# Altium PCB KlusterLab r2.0.PcbDoc (part 7 of 22) (continued)
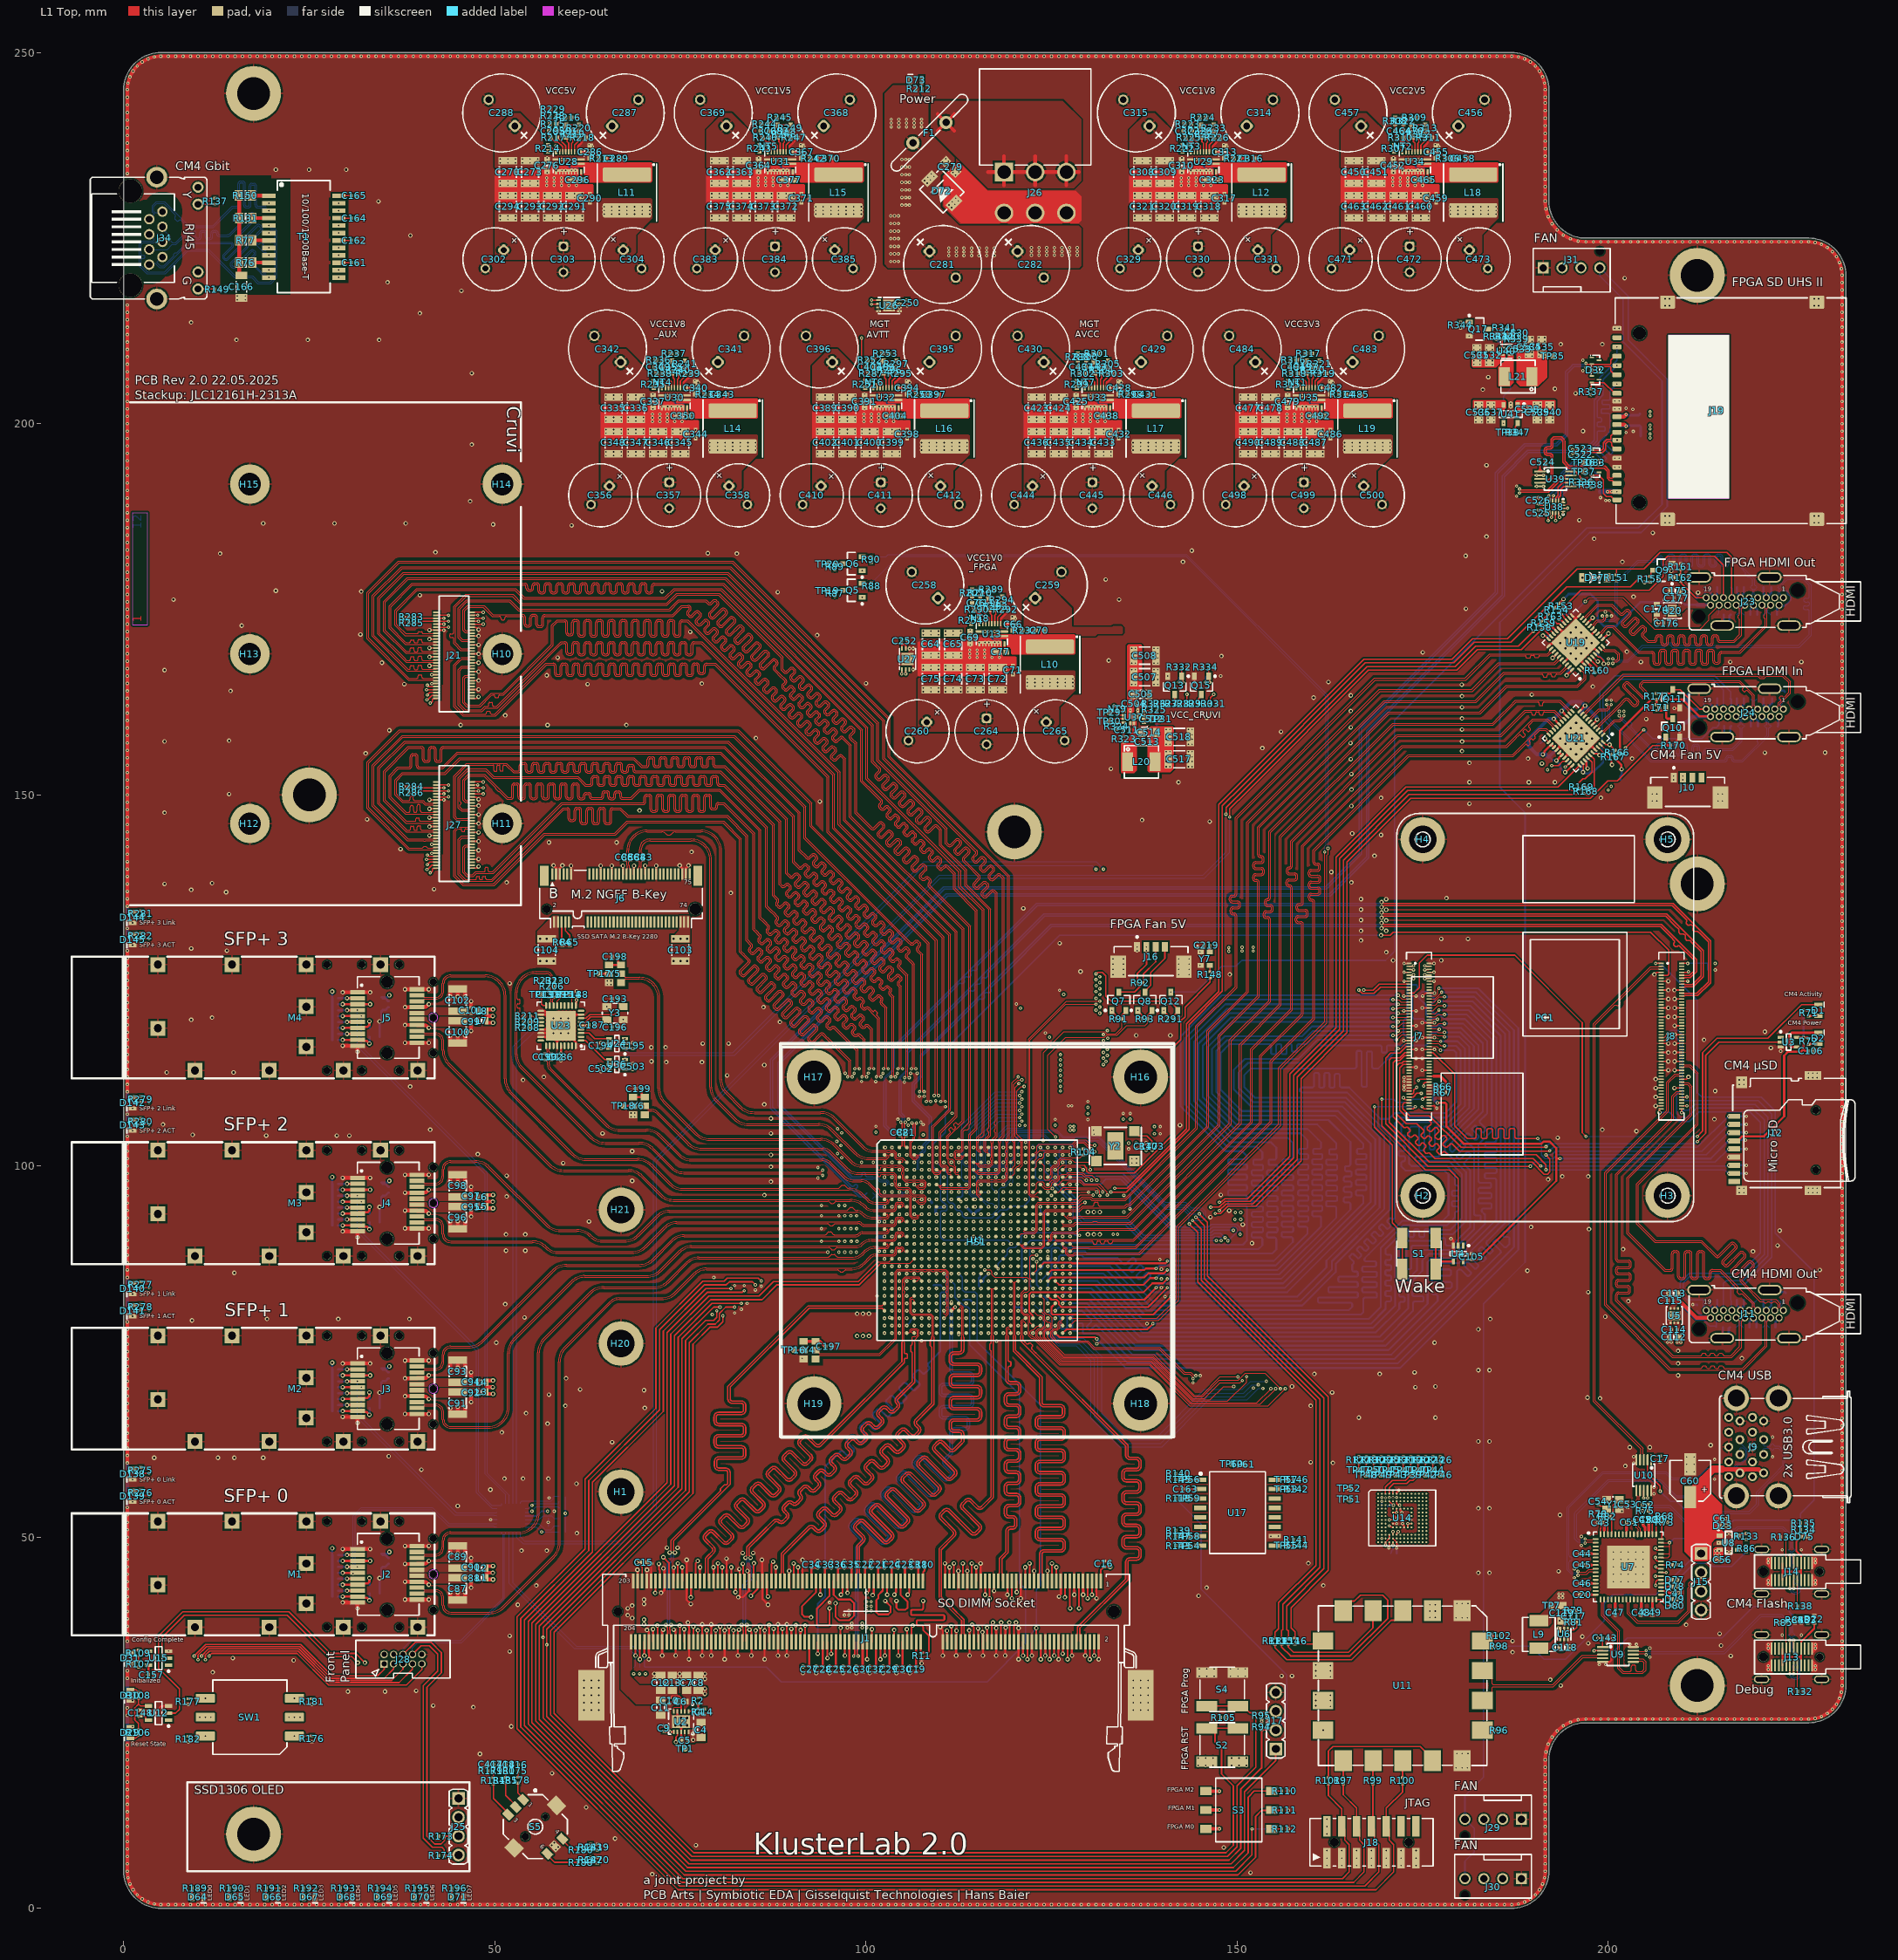
[diagram p0: L1 Top view]
## Nets (pads, with @x,y where several pads share a name; then routed paths per layer and width w, separated by ;. In a path a pad name is that pad's centre, name@x,y a point inside that pad or via, vN(x,y) a via of type N, cw(c..) or ccw(c..) an arc to the next point about the centre after c; other vN are vias at no path point) (continued)
CRUVI_A_11_P: J21.44 U1.D9 | length 170
  L1 Top w0.1: 108.88,103.62 108.9,103.6 108.9,99.217 108.959,99.159 109.217,98.9 109.883,98.9 110.1,99.117 110.1,99.365 110.159,99.423 110.423,99.423 U1.D9@110.5,99.5
  L1 Top w0.114: J21.44@46.835,166.19 46.485,166.19 46.391,166.096 45.986,166.096 45.695,165.805 45.695,162.375 46.2,161.869 47.935,161.869 48.035,161.869 49.483,163.317 49.636,163.47 49.845,163.47 cw(c49.845,163.316) 50,163.316 50,163.227 ccw(c50.154,163.227) 50.154,163.073 50.359,163.073 ccw(c50.359,163.227) 50.513,163.227 50.513,163.316 cw(c50.668,163.316) 50.668,163.47 50.724,163.47 51.195,163.47 57.875,170.15 57.875,172.738 58.471,173.334 58.786,173.334 59.386,173.334 cw(c59.386,173.165) 59.555,173.165 59.555,171.853 ccw(c59.965,171.853) 59.965,171.443 60.191,171.443 ccw(c60.191,171.853) 60.601,171.853 60.601,173.188 cw(c60.77,173.188) 60.77,173.357 60.995,173.357 cw(c60.995,173.188) 61.164,173.188 61.164,171.687 ccw(c61.574,171.687) 61.574,171.277 61.8,171.277 ccw(c61.8,171.687) 62.21,171.687 62.21,173.188 cw(c62.379,173.188) 62.379,173.357 62.605,173.357 cw(c62.605,173.188) 62.774,173.188 62.774,171.687 ccw(c63.184,171.687) 63.184,171.277 63.409,171.277 ccw(c63.409,171.687) 63.819,171.687 63.819,173.188 cw(c63.988,173.188) 63.988,173.357 64.214,173.357 cw(c64.214,173.188) 64.383,173.188 64.383,171.687 ccw(c64.793,171.687) 64.793,171.277 65.018,171.277 ccw(c65.018,171.687) 65.428,171.687 65.428,173.188 cw(c65.597,173.188) 65.597,173.357 65.823,173.357 cw(c65.823,173.188) 65.992,173.188 65.992,171.687 ccw(c66.402,171.687) 66.402,171.277 66.627,171.277 ccw(c66.627,171.687) 67.037,171.687 67.037,173.188 cw(c67.207,173.188) 67.207,173.357 67.432,173.357 cw(c67.432,173.188) 67.601,173.188 67.601,171.687 ccw(c68.011,171.687) 68.011,171.277 68.237,171.277 ccw(c68.237,171.687) 68.647,171.687 68.647,173.188 cw(c68.816,173.188) 68.816,173.357 69.041,173.357 cw(c69.041,173.188) 69.21,173.188 69.21,171.687 ccw(c69.62,171.687) 69.62,171.277 69.846,171.277 ccw(c69.846,171.687) 70.256,171.687 70.256,173.188 cw(c70.425,173.188) 70.425,173.357 70.65,173.357 cw(c70.65,173.188) 70.82,173.188 70.82,171.687 ccw(c71.23,171.687) 71.23,171.277 71.455,171.277 ccw(c71.455,171.687) 71.865,171.687 71.865,173.188 cw(c72.034,173.188) 72.034,173.357 72.26,173.357 cw(c72.26,173.188) 72.429,173.188 72.429,171.687 ccw(c72.839,171.687) 72.839,171.277 73.064,171.277 ccw(c73.064,171.687) 73.474,171.687 73.474,173.188 cw(c73.643,173.188) 73.643,173.357 73.869,173.357 cw(c73.869,173.188) 74.038,173.188 74.038,171.687 ccw(c74.448,171.687) 74.448,171.277 74.673,171.277 ccw(c74.673,171.687) 75.083,171.687 75.083,173.165 cw(c75.253,173.165) 75.253,173.334 75.43,173.334 75.9,173.334 96.259,152.975 96.259,145.986 111.153,131.092 111.153,112 111.153,107.593 110.68,107.12 109.13,105.57 108.88,105.32 108.88,103.62
CRUVI_A_DI: J21.51 U1.G19 | length 140.9
  L1 Top w0.15: v1(40.9,164.76) 40.968,164.76 41.138,164.59 J21.51@42.165,164.59
  L3 Inner2 (Sig) w0.1: v1(120.5,96.5) 121.1,97.1 121.1,101.9 120.7,102.3 120.7,103.6 120.9,103.8 122.2,103.8 123.9,105.5 123.9,105.9
  L3 Inner2 (Sig) w0.15: v1(40.9,164.76) 40.5,165.16 40.5,172.36 44.1,175.96 57.065,175.96 109.6,123.425 115.8,123.425 124.475,114.75 124.475,109.475 123.9,108.9 123.9,105.9
CRUVI_A_DO: J21.53 U1.D20 | length 140.1
  L1 Top w0.15: v1(40.8,164.16) 40.815,164.175 42.15,164.175 J21.53@42.165,164.19
  L3 Inner2 (Sig) w0.1: v1(121.5,99.5) 121.875,99.875 121.875,101.408 120.9,102.383 120.9,103.5 121,103.6 122.3,103.6 124.2,105.5 124.2,105.9
  L3 Inner2 (Sig) w0.15: v1(40.8,164.16) 40.1,164.86 40.1,172.56 43.9,176.36 53.232,176.36 57.231,176.36 74.896,158.696 107.296,126.296 109.766,123.825 115.9,123.825 124.775,114.95 124.775,109.275 124.2,108.7 124.2,105.9
CRUVI_A_HSI: J21.10 U1.F17 | length 120
  L1 Top w0.15: J21.10@46.835,172.99 v1(48.43,172.99)
  L3 Inner2 (Sig) w0.1: v1(121.444,105.456) 121.456,105.456 121.8,105.8
  L3 Inner2 (Sig) w0.15: v1(48.43,172.99) 53.463,172.99 53.48,172.973 56.093,172.973 108.441,120.625 115.1,120.625 122.375,113.35 122.375,110.375 121.8,109.8 121.8,105.8
  L12 Bottom w0.1: v1(118.5,97.5) 119.1,98.1 119.1,99.713 118.713,100.1 118.37,100.1 118.125,100.345 118.125,100.835 118.135,100.845 118.135,101.335 118.1,101.37 118.1,104.2 119.008,105.108 121.108,105.108 121.192,105.192 121.192,105.197 121.444,105.449 v1(121.444,105.456)
CRUVI_A_HSIO: J21.2 U1.H18 | length 123.1
  L1 Top w0.15: J21.2@46.835,174.59 46.856,174.611 48.409,174.611 v1(48.43,174.59)
  L3 Inner2 (Sig) w0.1: v1(119.5,95.5) 119.9,95.9 119.9,104.1 120.2,104.4 121.918,104.4 123,105.482 123,105.9
  L3 Inner2 (Sig) w0.15: v1(48.43,174.59) 56.738,174.59 74.564,156.764 106.164,125.164 109.103,122.225 115.5,122.225 123.575,114.15 123.575,109.975 123,109.4 123,105.9
CRUVI_A_HSO: J21.6 U1.H17 | length 123
  L1 Top w0.15: J21.6@46.835,173.79 v1(48.43,173.79)
  L3 Inner2 (Sig) w0.1: v1(118.5,95.5) 118.1,95.9 118.1,103.8 119.1,104.8 121.7,104.8 122.4,105.5 122.4,105.9
  L3 Inner2 (Sig) w0.15: v1(48.43,173.79) 56.407,173.79 108.772,121.425 115.3,121.425 122.975,113.75 122.975,110.175 122.4,109.6 122.4,105.9
CRUVI_A_MODE: J21.57 U1.F20 | length 145.5
  L1 Top w0.15: v1(40.857,162.817) 40.939,162.817 41.057,162.936 41.076,162.936 41.336,163.196 41.515,163.375 42.15,163.375 J21.57@42.165,163.39
  L3 Inner2 (Sig) w0.1: v1(121.5,97.5) 122.425,98.425 122.425,101.675 122.1,102 122.1,103 122.3,103.2 122.5,103.2 124.8,105.5 124.8,105.9
  L3 Inner2 (Sig) w0.15: v1(40.857,162.817) 39.3,164.375 39.3,172.76 43.7,177.16 57.563,177.16 75.461,159.261 107.861,126.861 110.098,124.625 116.1,124.625 125.375,115.35 125.375,108.975 124.8,108.4 124.8,105.9
CRUVI_A_REFCLK: J21.11 U1.E17 | length 123
  L1 Top w0.15: J21.11@42.165,172.59 v1(43.76,172.59)
  L3 Inner2 (Sig) w0.1: v1(120.7,105.5) 120.767,105.567 121.025,105.567 121.5,106.042
  L3 Inner2 (Sig) w0.15: v1(43.76,172.59) 45.846,172.59 45.991,172.735 47.997,172.735 48.142,172.59 53.322,172.59 55.91,172.59 104.75,123.75 108.275,120.225 115,120.225 122.075,113.15 122.075,110.575 121.5,110 121.5,106.042
  L12 Bottom w0.1: v1(118.5,98.5) 118.9,98.9 118.9,99.63 118.63,99.9 118.287,99.9 117.9,100.287 117.9,104.4 119,105.5 v1(120.7,105.5)
CRUVI_A_RESET: J21.8 U1.H16 | length 122.4
  L1 Top w0.15: J21.8@46.835,173.39 v1(47.8,173.39)
  L3 Inner2 (Sig) w0.1: v1(117.5,95.5) 117.9,95.9 117.9,104 118.9,105 121.566,105 122.1,105.534 122.1,105.9
  L3 Inner2 (Sig) w0.15: v1(47.8,173.39) 56.241,173.39 73.916,155.716 105.316,124.316 108.606,121.025 115.2,121.025 122.675,113.55 122.675,110.275 122.1,109.7 122.1,105.9
CRUVI_A_SCK: J21.59 U1.G20 | length 148.6
  L1 Top w0.15: v1(41.3,162.36) 41.359,162.36 41.586,162.586 41.586,162.862 41.674,162.95 42.125,162.95 J21.59@42.165,162.99
  L3 Inner2 (Sig) w0.1: v1(121.5,96.5) 122,97 122,97.6 122.625,98.225 122.625,102.12 122.85,102.345 122.85,102.655 122.625,102.88 122.625,103.025 125.1,105.5 125.1,105.9
  L3 Inner2 (Sig) w0.15: v1(41.3,162.36) 40.6,162.36 38.9,164.06 38.9,172.86 43.6,177.56 53.543,177.56 57.728,177.56 75.494,159.794 108.144,127.144 110.263,125.025 116.2,125.025 125.675,115.55 125.675,108.775 125.1,108.2 125.1,105.9
CRUVI_A_SEL: J21.55 U1.E20 | length 142.2
  L1 Top w0.15: v1(40.9,163.46) 41.23,163.79 J21.55@42.165,163.79
  L3 Inner2 (Sig) w0.1: v1(121.5,98.5) 122.2,99.2 122.2,101.5 121.9,101.8 121.9,103.2 122.1,103.4 122.383,103.4 124.5,105.517 124.5,105.9
  L3 Inner2 (Sig) w0.15: v1(40.9,163.46) 39.7,164.66 39.7,172.66 43.8,176.76 57.397,176.76 75.278,158.878 107.578,126.578 109.932,124.225 116,124.225 125.075,115.15 125.075,109.175 124.5,108.6 124.5,105.9
CRUVI_A_SMB_ALERT: J21.3 U1.H19 | length 128.9
  L1 Top w0.15: J21.3@42.165,174.19 v1(43.76,174.19)
  L3 Inner2 (Sig) w0.1: v1(120.5,95.5) 120.1,95.9 120.1,104 120.3,104.2 122.001,104.2 123.3,105.499 123.3,105.9
  L3 Inner2 (Sig) w0.15: v1(43.76,174.19) 44.73,175.16 56.734,175.16 109.269,122.625 115.6,122.625 123.875,114.35 123.875,109.875 123.3,109.3 123.3,105.9
CRUVI_A_SMB_SCL: J21.7 R285.1 U1.G17 | length 130.3
  L1 Top w0.15: R285.1@39.195,173.16 39.87,173.16 40.1,173.39 J21.7@42.165,173.39 v1(43.76,173.39)
  L3 Inner2 (Sig) w0.1: v1(118.5,96.5) 118.9,96.9 118.9,104.1 119.4,104.6 121.8,104.6 122.7,105.5 122.7,105.9
  L3 Inner2 (Sig) w0.15: v1(43.76,173.39) 46.73,173.39 47.14,173.8 47.874,173.8 48.264,174.19 56.573,174.19 74.531,156.231 105.881,124.881 108.938,121.825 115.4,121.825 123.275,113.95 123.275,110.075 122.7,109.5 122.7,105.9
CRUVI_A_SMB_SDA: J21.5 R283.1 U1.F19 | length 131
  L1 Top w0.15: R283.1@39.195,173.96 39.9,173.96 40.07,173.79 J21.5@42.165,173.79 v1(43.13,173.79)
  L3 Inner2 (Sig) w0.1: v1(120.5,97.5) 120.9,97.9 120.9,101.8 120.5,102.2 120.5,103.7 120.8,104 122.1,104 123.6,105.5 123.6,105.9
  L3 Inner2 (Sig) w0.15: v1(43.13,173.79) 43.13,174.29 44.4,175.56 56.9,175.56 74.38,158.08 106.73,125.73 109.435,123.025 115.7,123.025 124.175,114.55 124.175,109.675 123.6,109.1 123.6,105.9
CRUVI_B_0_N: J27.17 U1.A8 | length 154.5
  L1 Top w0.114: J27.17@42.165,148.53 42.107,148.588 41.712,148.588 41.67,148.629 40.578,148.629 40.233,148.975 37.524,148.975 36.509,149.99 36.509,151.99 37.519,153 43.25,153 45.25,155 68.754,155 69.834,153.92 70.205,153.92 70.382,153.92 ccw(c70.382,154.061) 70.523,154.061 70.523,154.752 cw(c70.905,154.752) 70.905,155.134 71.187,155.134 cw(c71.187,154.752) 71.569,154.752 71.569,154.061 ccw(c71.71,154.061) 71.71,153.92 71.991,153.92 ccw(c71.991,154.061) 72.132,154.061 72.132,154.752 cw(c72.514,154.752) 72.514,155.134 72.796,155.134 cw(c72.796,154.752) 73.178,154.752 73.178,154.061 ccw(c73.319,154.061) 73.319,153.92 73.601,153.92 ccw(c73.601,154.061) 73.742,154.061 73.742,154.752 cw(c74.123,154.752) 74.123,155.134 74.405,155.134 cw(c74.405,154.752) 74.787,154.752 74.787,154.061 ccw(c74.928,154.061) 74.928,153.92 75.21,153.92 ccw(c75.21,154.061) 75.351,154.061 75.351,154.752 cw(c75.733,154.752) 75.733,155.134 76.014,155.134 cw(c76.014,154.752) 76.396,154.752 76.396,154.061 ccw(c76.537,154.061) 76.537,153.92 76.819,153.92 ccw(c76.819,154.061) 76.96,154.061 76.96,154.752 cw(c77.342,154.752) 77.342,155.134 77.624,155.134 cw(c77.624,154.752) 78.005,154.752 78.005,154.061 ccw(c78.146,154.061) 78.146,153.92 78.428,153.92 ccw(c78.428,154.061) 78.569,154.061 78.569,154.752 cw(c78.951,154.752) 78.951,155.134 79.233,155.134 cw(c79.233,154.752) 79.615,154.752 79.615,154.061 ccw(c79.755,154.061) 79.755,153.92 80.58,153.92 81.007,153.92 88.541,146.386 88.541,138.001 88.621,137.92 88.711,137.83 88.747,137.795 ccw(c88.846,137.895) 88.946,137.795 89.117,137.966 cw(c89.387,137.696) 89.616,138.001 89.622,138.001 89.892,137.732 89.892,137.726 cw(c89.586,137.497) 89.856,137.227 ; 89.856,137.227 89.422,136.792 ccw(c89.521,136.693) 89.422,136.593 89.621,136.394 ccw(c89.721,136.493) 89.82,136.393 90.255,136.828 cw(c90.525,136.558) 90.754,136.864 90.76,136.864 91.029,136.594 91.029,136.588 cw(c90.724,136.359) 90.994,136.089 ; 90.994,136.089 90.56,135.655 ccw(c90.659,135.555) 90.56,135.455 90.759,135.256 ccw(c90.859,135.356) 90.958,135.255 91.393,135.69 cw(c91.663,135.421) 91.892,135.726 91.897,135.726 92.167,135.456 92.167,135.451 cw(c91.862,135.221) 92.132,134.951 ; 92.131,134.951 91.697,134.517 ccw(c91.797,134.417) 91.697,134.317 91.897,134.118 ccw(c91.996,134.218) 92.096,134.117 92.531,134.553 cw(c92.801,134.283) 93.03,134.588 93.035,134.588 93.305,134.318 93.305,134.313 cw(c93,134.083) 93.27,133.813 ; 93.269,133.813 92.835,133.379 ccw(c92.935,133.279) 92.835,133.179 93.035,132.98 ccw(c93.134,133.08) 93.233,132.98 93.669,133.415 cw(c93.938,133.145) 94.168,133.45 94.173,133.45 94.443,133.18 94.443,133.175 cw(c94.138,132.945) 94.408,132.676 ; 94.407,132.675 93.973,132.241 ccw(c94.073,132.141) 93.973,132.042 94.172,131.842 ccw(c94.272,131.942) 94.371,131.842 94.806,132.277 cw(c95.076,132.007) 95.306,132.312 95.311,132.312 95.581,132.042 95.581,132.037 cw(c95.276,131.808) 95.546,131.538 ; 95.545,131.537 95.111,131.103 ccw(c95.211,131.003) 95.111,130.904 95.31,130.704 ccw(c95.41,130.804) 95.509,130.704 95.944,131.139 cw(c96.214,130.869) 96.443,131.174 96.449,131.174 96.719,130.904 96.719,130.899 cw(c96.414,130.67) 96.683,130.4 ; 96.683,130.399 96.249,129.965 ccw(c96.349,129.866) 96.249,129.766 96.448,129.567 ccw(c96.548,129.666) 96.647,129.566 97.082,130.001 cw(c97.352,129.731) 97.581,130.036 97.587,130.036 97.857,129.767 97.857,129.761 cw(c97.551,129.532) 97.821,129.262 ; 97.821,129.261 97.387,128.827 ccw(c97.486,128.728) 97.387,128.628 97.586,128.429 ccw(c97.686,128.528) 97.785,128.428 98.22,128.863 cw(c98.49,128.593) 98.719,128.899 98.725,128.899 98.994,128.629 98.994,128.623 cw(c98.689,128.394) 98.959,128.124 ; 98.959,128.124 98.525,127.689 ccw(c98.624,127.59) 98.525,127.49 98.724,127.291 ccw(c98.824,127.39) 98.923,127.29 99.358,127.725 cw(c99.628,127.455) 99.857,127.761 99.862,127.761 100.132,127.491 100.132,127.485 cw(c99.827,127.256) 100.097,126.986 ; 100.097,126.986 99.662,126.552 ccw(c99.762,126.452) 99.662,126.352 99.862,126.153 ccw(c99.961,126.253) 100.061,126.152 100.496,126.588 cw(c100.766,126.318) 100.995,126.623 101,126.623 101.27,126.353 101.27,126.348 cw(c100.965,126.118) 101.235,125.848 ; 101.234,125.848 100.8,125.414 ccw(c100.9,125.314) 100.8,125.214 100.972,125.042 101,125.015 ccw(c101.099,125.115) 101.198,125.015 101.438,125.255 cw(c101.708,124.985) 101.938,125.29 101.943,125.29 102.178,125.055 cw(c101.908,124.785) 102.178,124.515 102.017,124.354 ccw(c102.116,124.255) 102.017,124.155 102.216,123.956 ccw(c102.316,124.055) 102.415,123.956 102.6,124.141 cw(c102.87,123.871) 103.099,124.176 103.105,124.176 103.375,123.906 103.375,123.901 cw(c103.069,123.671) 103.339,123.401 ccw(c103.439,123.302) 103.339,123.202 103.59,122.951 103.68,122.861 103.764,122.777 v1@103.764,112
  L3 Inner2 (Sig) w0.1: v1(103.953,112) 103.981,111.972 103.981,111.698 103.987,111.692 103.987,111.091 103.818,110.921 103.818,105.982 106.2,103.6 106.5,103.6 108,103.6 108.677,103.6 109.14,103.137 109.14,102.865 109.075,102.8 109.075,102.325 109.3,102.1 109.8,102.1 109.9,102.2 109.9,102.374 109.841,102.433 109.567,102.433 v1(109.5,102.5)
CRUVI_B_0_P: J27.15 U1.A9 | length 154.9
  L1 Top w0.114: J27.15@42.165,148.93 42.107,148.872 41.656,148.872 41.654,148.87 40.678,148.87 40.332,149.216 39.737,149.216 39.217,149.216 cw(c39.217,149.402) 39.031,149.402 39.031,149.622 ccw(c38.846,149.622) 38.846,149.808 38.753,149.808 ccw(c38.753,149.622) 38.567,149.622 38.567,149.402 cw(c38.382,149.402) 38.382,149.216 37.624,149.216 37.606,149.234 37,149.84 36.915,149.925 36.75,150.09 36.75,151.89 37.619,152.759 43.35,152.759 45.35,154.759 68.654,154.759 69.734,153.679 70.205,153.679 70.382,153.679 ccw(c70.382,154.061) 70.764,154.061 70.764,154.752 cw(c70.905,154.752) 70.905,154.893 71.187,154.893 cw(c71.187,154.752) 71.328,154.752 71.328,154.061 ccw(c71.71,154.061) 71.71,153.679 71.991,153.679 ccw(c71.991,154.061) 72.373,154.061 72.373,154.752 cw(c72.514,154.752) 72.514,154.893 72.796,154.893 cw(c72.796,154.752) 72.937,154.752 72.937,154.061 ccw(c73.319,154.061) 73.319,153.679 73.601,153.679 ccw(c73.601,154.061) 73.982,154.061 73.982,154.752 cw(c74.123,154.752) 74.123,154.893 74.405,154.893 cw(c74.405,154.752) 74.546,154.752 74.546,154.061 ccw(c74.928,154.061) 74.928,153.679 75.21,153.679 ccw(c75.21,154.061) 75.592,154.061 75.592,154.752 cw(c75.733,154.752) 75.733,154.893 76.014,154.893 cw(c76.014,154.752) 76.155,154.752 76.155,154.061 ccw(c76.537,154.061) 76.537,153.679 76.819,153.679 ccw(c76.819,154.061) 77.201,154.061 77.201,154.752 cw(c77.342,154.752) 77.342,154.893 77.624,154.893 cw(c77.624,154.752) 77.765,154.752 77.765,154.061 ccw(c78.146,154.061) 78.146,153.679 78.428,153.679 ccw(c78.428,154.061) 78.81,154.061 78.81,154.752 cw(c78.951,154.752) 78.951,154.893 79.233,154.893 cw(c79.233,154.752) 79.374,154.752 79.374,154.061 ccw(c79.755,154.061) 79.755,153.679 80.58,153.679 80.908,153.679 88.3,146.287 88.3,137.901 88.451,137.75 88.541,137.66 88.576,137.625 ccw(c88.846,137.895) 89.116,137.625 89.287,137.796 cw(c89.387,137.696) 89.487,137.796 ; 89.487,137.795 89.685,137.597 ; 89.686,137.597 cw(c89.586,137.497) 89.687,137.398 89.251,136.963 ccw(c89.521,136.693) 89.251,136.423 89.451,136.223 ccw(c89.721,136.493) 89.991,136.223 90.425,136.658 cw(c90.525,136.558) 90.625,136.658 ; 90.625,136.657 90.823,136.459 ; 90.823,136.459 cw(c90.724,136.359) 90.824,136.26 90.389,135.825 ccw(c90.659,135.555) 90.389,135.285 90.589,135.086 ccw(c90.859,135.356) 91.128,135.086 91.563,135.52 cw(c91.663,135.421) 91.763,135.52 ; 91.763,135.52 91.961,135.322 ; 91.961,135.321 cw(c91.862,135.221) 91.962,135.122 91.527,134.687 ccw(c91.797,134.417) 91.527,134.147 91.726,133.948 ccw(c91.996,134.218) 92.266,133.948 92.701,134.382 cw(c92.801,134.283) 92.901,134.382 ; 92.901,134.382 93.099,134.184 ; 93.099,134.183 cw(c93,134.083) 93.1,133.984 92.665,133.549 ccw(c92.935,133.279) 92.665,133.009 92.864,132.81 ccw(c93.134,133.08) 93.404,132.81 93.839,133.244 cw(c93.938,133.145) 94.039,133.244 ; 94.039,133.244 94.237,133.046 ; 94.237,133.046 cw(c94.138,132.945) 94.238,132.846 93.803,132.411 ccw(c94.073,132.141) 93.803,131.871 94.002,131.672 ccw(c94.272,131.942) 94.542,131.672 94.977,132.107 cw(c95.076,132.007) 95.176,132.106 ; 95.177,132.106 95.375,131.908 ; 95.375,131.908 cw(c95.276,131.808) 95.376,131.708 ; 95.376,131.708 94.941,131.273 ccw(c95.211,131.003) 94.941,130.733 95.14,130.534 ccw(c95.41,130.804) 95.68,130.534 96.115,130.969 cw(c96.214,130.869) 96.314,130.968 ; 96.315,130.968 96.513,130.77 ; 96.513,130.77 cw(c96.414,130.67) 96.514,130.571 96.079,130.135 ccw(c96.349,129.866) 96.079,129.596 96.278,129.396 ccw(c96.548,129.666) 96.818,129.396 97.252,129.831 cw(c97.352,129.731) 97.452,129.83 97.65,129.632 ; 97.651,129.632 cw(c97.551,129.532) 97.652,129.433 97.216,128.998 ccw(c97.486,128.728) 97.216,128.458 97.416,128.258 ccw(c97.686,128.528) 97.956,128.258 ; 97.956,128.259 98.39,128.693 cw(c98.49,128.593) 98.59,128.693 98.788,128.494 ; 98.789,128.494 cw(c98.689,128.394) 98.789,128.295 98.354,127.86 ccw(c98.624,127.59) 98.354,127.32 98.554,127.121 ccw(c98.824,127.39) 99.094,127.121 ; 99.094,127.121 99.528,127.555 cw(c99.628,127.455) 99.728,127.555 99.926,127.356 cw(c99.827,127.256) 99.927,127.157 99.492,126.722 ccw(c99.762,126.452) 99.492,126.182 99.692,125.983 ccw(c99.961,126.253) 100.231,125.983 ; 100.232,125.983 100.666,126.417 cw(c100.766,126.318) 100.866,126.417 101.064,126.219 cw(c100.965,126.118) 101.065,126.019 100.63,125.584 ccw(c100.9,125.314) 100.63,125.044 100.829,124.845 ccw(c101.099,125.115) 101.369,124.845 ; 101.37,124.845 101.609,125.084 cw(c101.708,124.985) 101.808,125.084 102.007,124.885 cw(c101.908,124.785) 102.007,124.686 101.846,124.525 ccw(c102.116,124.255) 101.846,123.985 102.046,123.785 ccw(c102.316,124.055) 102.586,123.785 102.77,123.97 cw(c102.87,123.871) 102.97,123.97 103.168,123.772 cw(c103.069,123.671) 103.169,123.572 ccw(c103.439,123.302) 103.17,123.031 103.42,122.781 103.51,122.691 103.523,122.678 v1@103.523,112
  L3 Inner2 (Sig) w0.1: v1(103.353,112) 103.651,111.702 103.651,111.561 103.657,111.555 103.657,111.227 103.488,111.058 103.488,105.846 106.063,103.27 108.54,103.27 108.81,103 108.81,102.865 108.875,102.8 108.875,102.242 109.217,101.9 109.883,101.9 110.1,102.117 110.1,102.374 110.159,102.433 110.433,102.433 v1(110.5,102.5)
CRUVI_B_1_N: J27.23 U1.A10 | length 153.5
  L1 Top w0.114: J27.23@42.165,147.33 42.107,147.388 41.712,147.388 41.69,147.41 37.94,147.41 35.75,149.599 35.75,152.581 36.919,153.75 38.253,153.75 38.43,153.75 ccw(c38.43,153.919) 38.599,153.919 38.599,155.133 cw(c39.009,155.133) 39.009,155.543 39.234,155.543 cw(c39.234,155.133) 39.644,155.133 39.644,153.919 ccw(c39.814,153.919) 39.814,153.75 40.591,153.75 42.925,153.75 44.925,155.75 80.45,155.75 89.441,146.759 89.441,139.501 89.763,139.178 89.853,139.088 89.889,139.053 ccw(c89.988,139.152) 90.088,139.053 90.375,139.339 cw(c90.645,139.07) 90.874,139.375 90.879,139.375 91.149,139.105 91.149,139.099 cw(c90.844,138.87) 91.114,138.6 90.606,138.093 ccw(c90.706,137.993) 90.606,137.893 90.806,137.694 ccw(c90.905,137.794) 91.004,137.693 91.512,138.202 cw(c91.782,137.932) 92.012,138.237 92.017,138.237 92.287,137.967 92.287,137.962 cw(c91.982,137.732) 92.252,137.462 91.744,136.955 ccw(c91.844,136.855) 91.744,136.755 91.943,136.556 ccw(c92.043,136.656) 92.142,136.556 92.65,137.064 cw(c92.92,136.794) 93.15,137.099 93.155,137.099 93.425,136.829 93.425,136.824 cw(c93.12,136.594) 93.39,136.325 92.882,135.817 ccw(c92.982,135.717) 92.882,135.618 93.081,135.418 ccw(c93.181,135.518) 93.28,135.418 93.788,135.926 cw(c94.058,135.656) 94.287,135.961 94.293,135.961 94.563,135.691 94.563,135.686 cw(c94.257,135.457) 94.527,135.187 94.02,134.679 ccw(c94.119,134.579) 94.02,134.48 94.219,134.28 ccw(c94.319,134.38) 94.418,134.28 94.926,134.788 cw(c95.196,134.518) 95.425,134.823 95.431,134.823 95.701,134.553 95.701,134.548 cw(c95.395,134.319) 95.665,134.049 95.158,133.541 ccw(c95.257,133.441) 95.158,133.342 95.357,133.142 ccw(c95.457,133.242) 95.556,133.142 96.064,133.65 cw(c96.334,133.38) 96.563,133.685 96.569,133.685 96.838,133.416 96.838,133.41 cw(c96.533,133.181) 96.803,132.911 96.296,132.403 ccw(c96.395,132.304) 96.296,132.204 96.495,132.005 ccw(c96.595,132.104) 96.694,132.004 97.202,132.512 cw(c97.472,132.242) 97.701,132.548 97.706,132.548 97.976,132.278 97.976,132.272 cw(c97.671,132.043) 97.941,131.773 97.433,131.265 ccw(c97.533,131.166) 97.433,131.066 97.633,130.867 ccw(c97.732,130.966) 97.832,130.866 98.34,131.374 cw(c98.61,131.104) 98.839,131.41 98.844,131.41 99.114,131.14 99.114,131.134 cw(c98.809,130.905) 99.079,130.635 98.571,130.128 ccw(c98.671,130.028) 98.571,129.928 98.771,129.729 ccw(c98.87,129.829) 98.969,129.728 99.478,130.237 cw(c99.747,129.967) 99.977,130.272 99.982,130.272 100.252,130.002 100.252,129.997 cw(c99.947,129.767) 100.217,129.497 ; 100.216,129.497 99.709,128.99 ccw(c99.809,128.89) 99.709,128.79 99.908,128.591 ccw(c100.008,128.691) 100.107,128.59 100.615,129.099 cw(c100.885,128.829) 101.115,129.134 101.12,129.134 101.39,128.864 101.39,128.859 cw(c101.085,128.629) 101.355,128.359 ; 101.354,128.359 100.847,127.852 ccw(c100.947,127.752) 100.847,127.652 101.046,127.453 ccw(c101.146,127.553) 101.245,127.453 101.753,127.961 cw(c102.023,127.691) 102.253,127.996 102.258,127.996 102.528,127.726 102.528,127.721 cw(c102.223,127.492) 102.492,127.222 ; 102.492,127.221 101.985,126.714 ccw(c102.085,126.614) 101.985,126.515 102.184,126.315 ccw(c102.284,126.415) 102.383,126.315 102.891,126.823 cw(c103.161,126.553) 103.39,126.858 103.396,126.858 103.666,126.588 103.666,126.583 cw(c103.36,126.354) 103.63,126.084 ; 103.63,126.083 103.123,125.576 ccw(c103.222,125.476) 103.123,125.377 103.322,125.177 ccw(c103.422,125.277) 103.521,125.177 104.029,125.685 ; 104.029,125.685 cw(c104.299,125.415) 104.528,125.72 104.534,125.72 104.803,125.45 104.803,125.445 cw(c104.498,125.216) 104.768,124.946 104.482,124.659 ccw(c104.581,124.56) 104.481,124.46 104.669,124.272 104.734,124.207 104.734,123.76 v1@104.734,113.1
  L3 Inner2 (Sig) w0.1: v1(104.923,113.1) 104.923,113.066 104.723,112.866 104.798,112.791 104.798,111.975 104.6,111.777 104.6,111.4 104.665,111.335 104.665,108.535 106.47,106.73 108.07,106.73 111.165,103.635 111.165,103.09 111.1,103.025 111.1,102.2 111.2,102.1 111.374,102.1 111.433,102.159 111.433,102.433 v1(111.5,102.5)
CRUVI_B_1_P: J27.21 U1.B10 | length 155.8
  L1 Top w0.114: J27.21@42.165,147.73 42.107,147.672 41.712,147.672 41.69,147.65 40.838,147.651 40.781,147.651 40.201,147.651 cw(c40.201,147.883) 39.97,147.883 39.97,148.453 ccw(c39.738,148.453) 39.506,148.453 39.506,147.855 cw(c39.274,147.855) 39.042,147.855 39.042,148.332 ccw(c38.81,148.332) 38.578,148.332 38.578,147.883 cw(c38.346,147.883) 38.346,147.651 38.103,147.651 38.046,147.651 38.039,147.651 35.991,149.699 35.991,152.481 37.019,153.509 38.253,153.509 38.43,153.509 ccw(c38.43,153.919) 38.84,153.919 38.84,155.133 cw(c39.009,155.133) 39.009,155.302 39.234,155.302 cw(c39.234,155.133) 39.404,155.133 39.404,153.919 ccw(c39.814,153.919) 39.814,153.509 40.591,153.509 43.025,153.509 45.025,155.509 80.35,155.509 89.2,146.66 89.2,139.401 89.593,139.008 89.683,138.918 89.718,138.883 ccw(c89.988,139.152) 90.258,138.883 90.545,139.169 cw(c90.645,139.07) 90.745,139.169 ; 90.745,139.168 90.943,138.971 ; 90.943,138.97 cw(c90.844,138.87) 90.944,138.771 90.436,138.263 ccw(c90.706,137.993) 90.436,137.723 90.635,137.524 ccw(c90.905,137.794) 91.175,137.524 ; 91.176,137.524 91.683,138.031 cw(c91.782,137.932) 91.882,138.031 ; 91.883,138.031 92.081,137.833 ; 92.081,137.832 cw(c91.982,137.732) 92.082,137.633 91.574,137.125 ccw(c91.844,136.855) 91.574,136.585 91.773,136.386 ccw(c92.043,136.656) 92.313,136.386 ; 92.313,136.386 92.821,136.893 cw(c92.92,136.794) 93.02,136.893 ; 93.021,136.893 93.219,136.695 cw(c93.12,136.594) 93.22,136.495 92.712,135.987 ccw(c92.982,135.717) 92.712,135.447 92.911,135.248 ccw(c93.181,135.518) 93.451,135.248 ; 93.451,135.248 93.958,135.756 cw(c94.058,135.656) 94.158,135.755 ; 94.158,135.755 94.356,135.557 ; 94.357,135.557 cw(c94.257,135.457) 94.358,135.357 93.849,134.849 ccw(c94.119,134.579) 93.85,134.309 94.049,134.11 ccw(c94.319,134.38) 94.589,134.11 ; 94.589,134.111 95.096,134.618 cw(c95.196,134.518) 95.296,134.617 ; 95.296,134.617 95.494,134.419 ; 95.495,134.419 cw(c95.395,134.319) 95.496,134.22 94.987,133.711 ccw(c95.257,133.441) 94.987,133.172 95.187,132.972 ccw(c95.457,133.242) 95.727,132.972 ; 95.727,132.973 96.234,133.48 cw(c96.334,133.38) 96.434,133.479 ; 96.434,133.479 96.632,133.281 ; 96.632,133.281 cw(c96.533,133.181) 96.633,133.082 96.125,132.574 ccw(c96.395,132.304) 96.125,132.034 96.325,131.834 ccw(c96.595,132.104) 96.864,131.834 ; 96.865,131.835 97.372,132.342 cw(c97.472,132.242) 97.572,132.342 97.77,132.143 ; 97.77,132.143 cw(c97.671,132.043) 97.771,131.944 97.263,131.436 ccw(c97.533,131.166) 97.263,130.896 97.462,130.696 ccw(c97.732,130.966) 98.002,130.696 ; 98.003,130.697 98.51,131.204 cw(c98.61,131.104) 98.71,131.204 98.908,131.005 ; 98.908,131.005 cw(c98.809,130.905) 98.909,130.806 98.401,130.298 ccw(c98.671,130.028) 98.401,129.758 98.6,129.559 ccw(c98.87,129.829) 99.14,129.559 ; 99.141,129.559 99.648,130.066 cw(c99.747,129.967) 99.848,130.066 100.046,129.868 cw(c99.947,129.767) 100.047,129.668 99.539,129.16 ccw(c99.809,128.89) 99.539,128.62 99.738,128.421 ccw(c100.008,128.691) 100.278,128.421 ; 100.279,128.421 100.786,128.928 cw(c100.885,128.829) 100.985,128.928 101.184,128.73 cw(c101.085,128.629) 101.185,128.53 100.677,128.022 ccw(c100.947,127.752) 100.677,127.482 100.876,127.283 ccw(c101.146,127.553) 101.416,127.283 101.924,127.791 cw(c102.023,127.691) 102.123,127.79 102.322,127.592 cw(c102.223,127.492) 102.323,127.392 101.815,126.884 ccw(c102.085,126.614) 101.815,126.344 102.014,126.145 ccw(c102.284,126.415) 102.554,126.145 103.061,126.653 cw(c103.161,126.553) 103.261,126.652 103.459,126.454 cw(c103.36,126.354) 103.461,126.255 102.952,125.746 ccw(c103.222,125.476) 102.952,125.206 103.152,125.007 ccw(c103.422,125.277) 103.692,125.007 104.2,125.515 cw(c104.299,125.415) 104.399,125.514 104.597,125.316 cw(c104.498,125.216) 104.598,125.116 104.311,124.829 ccw(c104.581,124.56) 104.312,124.289 104.494,124.107 104.494,123.585 v1@104.494,113.1
  L3 Inner2 (Sig) w0.1: v1(104.323,113.1) 104.323,113.066 104.523,112.866 104.523,112.784 104.598,112.709 104.598,112.058 104.4,111.86 104.4,111.4 104.335,111.335 104.335,108.398 106.333,106.4 107.933,106.4 110.835,103.498 110.835,103.09 110.9,103.025 110.9,102.117 111.117,101.9 111.374,101.9 111.433,101.841 111.433,101.567 v1(111.5,101.5)